# KiCad board poly_kb.kicad_pcb (continued)
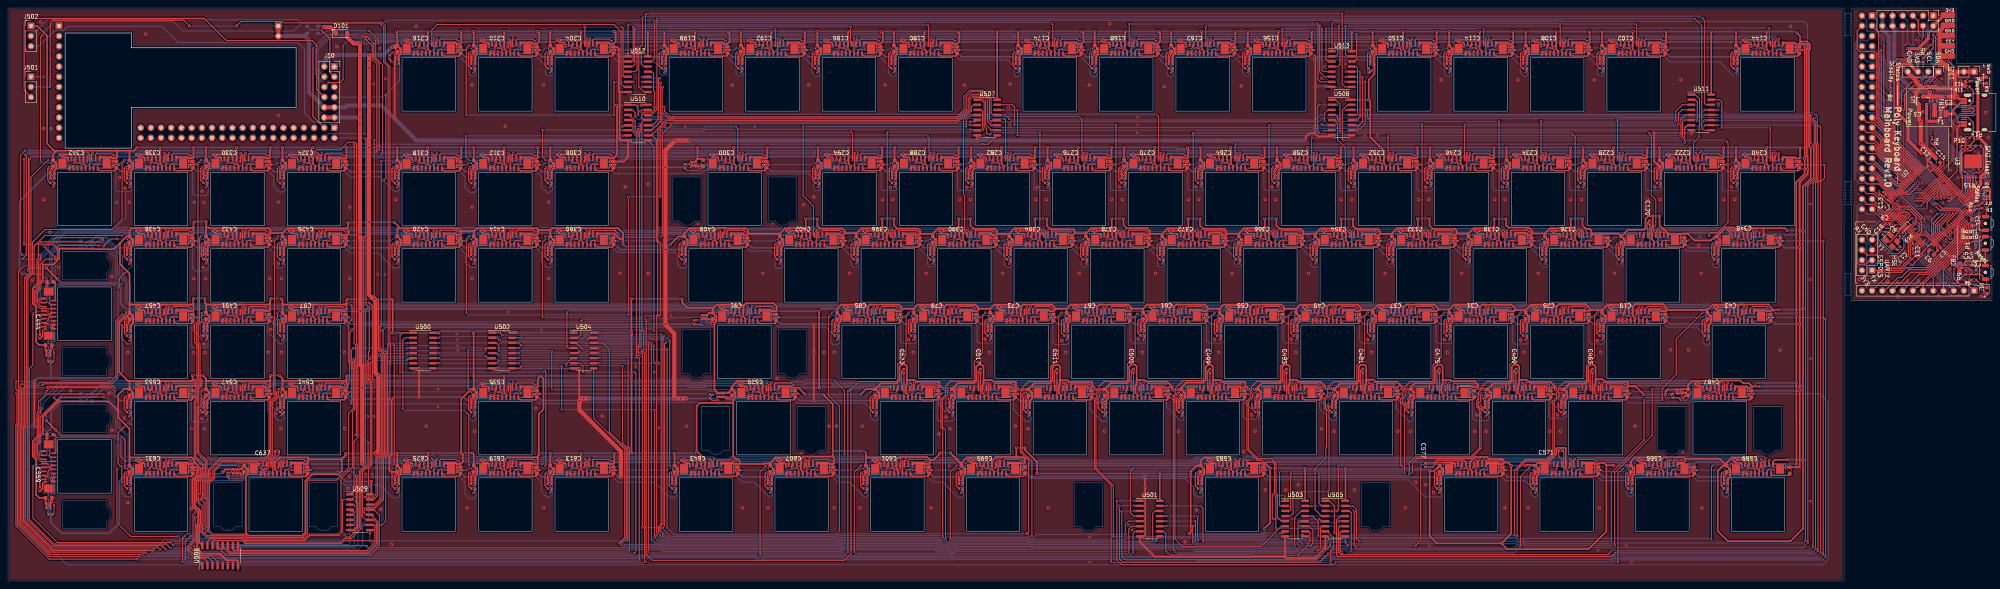
[diagram p0: board, top side]
## Nets (continued)
Net-(C78-Pad1): C78.1 J23.4
Net-(C78-Pad2): C78.2 J23.5
Net-(C79-Pad1): C79.1 J23.6
Net-(C79-Pad2): C79.2 J23.7
Net-(C81-Pad1): C81.1 J23.15
Net-(C84-Pad1): C84.1 J24.4
Net-(C84-Pad2): C84.2 J24.5
Net-(C85-Pad1): C85.1 J24.6
Net-(C85-Pad2): C85.2 J24.7
Net-(C87-Pad1): C87.1 J24.15
Net-(C90-Pad1): C90.1 J25.4
Net-(C90-Pad2): C90.2 J25.5
Net-(C91-Pad1): C91.1 J25.6
Net-(C91-Pad2): C91.2 J25.7
Net-(C93-Pad1): C93.1 J25.15
Net-(C96-Pad1): C96.1 J26.4
Net-(C96-Pad2): C96.2 J26.5
Net-(C97-Pad1): C97.1 J26.6
Net-(C97-Pad2): C97.2 J26.7
Net-(C99-Pad1): C99.1 J26.15
Net-(C101-Pad1): C101.1 J102.4
Net-(C101-Pad2): C101.2 J102.5
Net-(C102-Pad1): C102.1 J102.6
Net-(C102-Pad2): C102.2 J102.7
Net-(C104-Pad1): C104.1 J102.15
Net-(C107-Pad1): C107.1 J103.4
Net-(C107-Pad2): C107.2 J103.5
Net-(C108-Pad1): C108.1 J103.6
Net-(C108-Pad2): C108.2 J103.7
Net-(C110-Pad1): C110.1 J103.15
Net-(C113-Pad1): C113.1 J104.4
Net-(C113-Pad2): C113.2 J104.5
Net-(C114-Pad1): C114.1 J104.6
Net-(C114-Pad2): C114.2 J104.7
Net-(C116-Pad1): C116.1 J104.15
Net-(C119-Pad1): C119.1 J105.4
Net-(C119-Pad2): C119.2 J105.5
Net-(C120-Pad1): C120.1 J105.6
Net-(C120-Pad2): C120.2 J105.7
Net-(C122-Pad1): C122.1 J105.15
Net-(C125-Pad1): C125.1 J106.4
Net-(C125-Pad2): C125.2 J106.5
Net-(C126-Pad1): C126.1 J106.6
Net-(C126-Pad2): C126.2 J106.7
Net-(C128-Pad1): C128.1 J106.15
Net-(C131-Pad1): C131.1 J107.4
Net-(C131-Pad2): C131.2 J107.5
Net-(C132-Pad1): C132.1 J107.6
Net-(C132-Pad2): C132.2 J107.7
Net-(C134-Pad1): C134.1 J107.15
Net-(C137-Pad1): C137.1 J108.4
Net-(C137-Pad2): C137.2 J108.5
Net-(C138-Pad1): C138.1 J108.6
Net-(C138-Pad2): C138.2 J108.7
Net-(C140-Pad1): C140.1 J108.15
Net-(C143-Pad1): C143.1 J117.4
Net-(C143-Pad2): C143.2 J117.5
Net-(C144-Pad1): C144.1 J117.6
Net-(C144-Pad2): C144.2 J117.7
Net-(C146-Pad1): C146.1 J117.15
Net-(C149-Pad1): C149.1 J118.4
Net-(C149-Pad2): C149.2 J118.5
Net-(C150-Pad1): C150.1 J118.6
Net-(C150-Pad2): C150.2 J118.7
Net-(C152-Pad1): C152.1 J118.15
Net-(C155-Pad1): C155.1 J119.4
Net-(C155-Pad2): C155.2 J119.5
Net-(C156-Pad1): C156.1 J119.6
Net-(C156-Pad2): C156.2 J119.7
Net-(C158-Pad1): C158.1 J119.15
Net-(C161-Pad1): C161.1 J120.4
Net-(C161-Pad2): C161.2 J120.5
Net-(C162-Pad1): C162.1 J120.6
Net-(C162-Pad2): C162.2 J120.7
Net-(C164-Pad1): C164.1 J120.15
Net-(C167-Pad1): C167.1 J121.4
Net-(C167-Pad2): C167.2 J121.5
Net-(C168-Pad1): C168.1 J121.6
Net-(C168-Pad2): C168.2 J121.7
Net-(C170-Pad1): C170.1 J121.15
Net-(C173-Pad1): C173.1 J122.4
Net-(C173-Pad2): C173.2 J122.5
Net-(C174-Pad1): C174.1 J122.6
Net-(C174-Pad2): C174.2 J122.7
Net-(C176-Pad1): C176.1 J122.15
Net-(C179-Pad1): C179.1 J123.4
Net-(C179-Pad2): C179.2 J123.5
Net-(C180-Pad1): C180.1 J123.6
Net-(C180-Pad2): C180.2 J123.7
Net-(C182-Pad1): C182.1 J123.15
Net-(C185-Pad1): C185.1 J124.4
Net-(C185-Pad2): C185.2 J124.5
Net-(C186-Pad1): C186.1 J124.6
Net-(C186-Pad2): C186.2 J124.7
Net-(C188-Pad1): C188.1 J124.15
Net-(C191-Pad1): C191.1 J125.4
Net-(C191-Pad2): C191.2 J125.5
Net-(C192-Pad1): C192.1 J125.6
Net-(C192-Pad2): C192.2 J125.7
Net-(C194-Pad1): C194.1 J125.15
Net-(C197-Pad1): C197.1 J126.4
Net-(C197-Pad2): C197.2 J126.5
Net-(C198-Pad1): C198.1 J126.6
Net-(C198-Pad2): C198.2 J126.7
Net-(C200-Pad1): C200.1 J126.15
Net-(C203-Pad1): C203.1 J127.4
Net-(C203-Pad2): C203.2 J127.5
Net-(C204-Pad1): C204.1 J127.6
Net-(C204-Pad2): C204.2 J127.7
Net-(C206-Pad1): C206.1 J127.15
Net-(C209-Pad1): C209.1 J128.4
Net-(C209-Pad2): C209.2 J128.5
Net-(C210-Pad1): C210.1 J128.6
Net-(C210-Pad2): C210.2 J128.7
Net-(C212-Pad1): C212.1 J128.15
Net-(C215-Pad1): C215.1 J129.4
Net-(C215-Pad2): C215.2 J129.5
Net-(C216-Pad1): C216.1 J129.6
Net-(C216-Pad2): C216.2 J129.7
Net-(C218-Pad1): C218.1 J129.15
Net-(C221-Pad1): C221.1 J130.4
Net-(C221-Pad2): C221.2 J130.5
Net-(C222-Pad1): C222.1 J130.6
Net-(C222-Pad2): C222.2 J130.7
Net-(C224-Pad1): C224.1 J130.15
Net-(C227-Pad1): C227.1 J131.4
Net-(C227-Pad2): C227.2 J131.5
Net-(C228-Pad1): C228.1 J131.6
Net-(C228-Pad2): C228.2 J131.7
Net-(C230-Pad1): C230.1 J131.15
Net-(C233-Pad1): C233.1 J132.4
Net-(C233-Pad2): C233.2 J132.5
Net-(C234-Pad1): C234.1 J132.6
Net-(C234-Pad2): C234.2 J132.7
Net-(C236-Pad1): C236.1 J132.15
Net-(C239-Pad1): C239.1 J133.4
Net-(C239-Pad2): C239.2 J133.5
Net-(C240-Pad1): C240.1 J133.6
Net-(C240-Pad2): C240.2 J133.7
Net-(C242-Pad1): C242.1 J133.15
Net-(C245-Pad1): C245.1 J134.4
Net-(C245-Pad2): C245.2 J134.5
Net-(C246-Pad1): C246.1 J134.6
Net-(C246-Pad2): C246.2 J134.7
Net-(C248-Pad1): C248.1 J134.15
Net-(C251-Pad1): C251.1 J135.4
Net-(C251-Pad2): C251.2 J135.5
Net-(C252-Pad1): C252.1 J135.6
Net-(C252-Pad2): C252.2 J135.7
Net-(C254-Pad1): C254.1 J135.15
Net-(C257-Pad1): C257.1 J136.4
Net-(C257-Pad2): C257.2 J136.5
Net-(C258-Pad1): C258.1 J136.6
Net-(C258-Pad2): C258.2 J136.7
Net-(C260-Pad1): C260.1 J136.15
Net-(C263-Pad1): C263.1 J137.4
Net-(C263-Pad2): C263.2 J137.5
Net-(C264-Pad1): C264.1 J137.6
Net-(C264-Pad2): C264.2 J137.7
Net-(C266-Pad1): C266.1 J137.15
Net-(C269-Pad1): C269.1 J138.4
Net-(C269-Pad2): C269.2 J138.5
Net-(C270-Pad1): C270.1 J138.6
Net-(C270-Pad2): C270.2 J138.7
Net-(C272-Pad1): C272.1 J138.15
Net-(C275-Pad1): C275.1 J139.4
Net-(C275-Pad2): C275.2 J139.5
Net-(C276-Pad1): C276.1 J139.6
Net-(C276-Pad2): C276.2 J139.7
Net-(C278-Pad1): C278.1 J139.15
Net-(C281-Pad1): C281.1 J140.4
Net-(C281-Pad2): C281.2 J140.5
Net-(C282-Pad1): C282.1 J140.6
Net-(C282-Pad2): C282.2 J140.7
Net-(C284-Pad1): C284.1 J140.15
Net-(C287-Pad1): C287.1 J141.4
Net-(C287-Pad2): C287.2 J141.5
Net-(C288-Pad1): C288.1 J141.6
Net-(C288-Pad2): C288.2 J141.7
Net-(C290-Pad1): C290.1 J141.15
Net-(C293-Pad1): C293.1 J142.4
Net-(C293-Pad2): C293.2 J142.5
Net-(C294-Pad1): C294.1 J142.6
Net-(C294-Pad2): C294.2 J142.7
Net-(C296-Pad1): C296.1 J142.15
Net-(C299-Pad1): C299.1 J143.4
Net-(C299-Pad2): C299.2 J143.5
Net-(C300-Pad1): C300.1 J143.6
Net-(C300-Pad2): C300.2 J143.7
Net-(C302-Pad1): C302.1 J143.15
Net-(C305-Pad1): C305.1 J144.4
Net-(C305-Pad2): C305.2 J144.5
Net-(C306-Pad1): C306.1 J144.6
Net-(C306-Pad2): C306.2 J144.7
Net-(C308-Pad1): C308.1 J144.15
Net-(C311-Pad1): C311.1 J145.4
Net-(C311-Pad2): C311.2 J145.5
Net-(C312-Pad1): C312.1 J145.6
Net-(C312-Pad2): C312.2 J145.7
Net-(C314-Pad1): C314.1 J145.15
Net-(C317-Pad1): C317.1 J146.4
Net-(C317-Pad2): C317.2 J146.5
Net-(C318-Pad1): C318.1 J146.6
Net-(C318-Pad2): C318.2 J146.7
Net-(C320-Pad1): C320.1 J146.15
Net-(C323-Pad1): C323.1 J147.4
Net-(C323-Pad2): C323.2 J147.5
Net-(C324-Pad1): C324.1 J147.6
Net-(C324-Pad2): C324.2 J147.7
Net-(C326-Pad1): C326.1 J147.15
Net-(C329-Pad1): C329.1 J148.4
Net-(C329-Pad2): C329.2 J148.5
Net-(C330-Pad1): C330.1 J148.6
Net-(C330-Pad2): C330.2 J148.7
Net-(C332-Pad1): C332.1 J148.15
Net-(C335-Pad1): C335.1 J149.4
Net-(C335-Pad2): C335.2 J149.5
Net-(C336-Pad1): C336.1 J149.6
Net-(C336-Pad2): C336.2 J149.7
Net-(C338-Pad1): C338.1 J149.15
Net-(C341-Pad1): C341.1 J150.4
Net-(C341-Pad2): C341.2 J150.5
Net-(C342-Pad1): C342.1 J150.6
Net-(C342-Pad2): C342.2 J150.7
Net-(C344-Pad1): C344.1 J150.15
Net-(C347-Pad1): C347.1 J101.4
Net-(C347-Pad2): C347.2 J101.5
Net-(C348-Pad1): C348.1 J101.6
Net-(C348-Pad2): C348.2 J101.7
Net-(C350-Pad1): C350.1 J101.15
Net-(C353-Pad1): C353.1 J109.4
Net-(C353-Pad2): C353.2 J109.5
Net-(C354-Pad1): C354.1 J109.6
Net-(C354-Pad2): C354.2 J109.7
Net-(C356-Pad1): C356.1 J109.15
Net-(C359-Pad1): C359.1 J110.4
Net-(C359-Pad2): C359.2 J110.5
Net-(C360-Pad1): C360.1 J110.6
Net-(C360-Pad2): C360.2 J110.7
Net-(C362-Pad1): C362.1 J110.15
Net-(C365-Pad1): C365.1 J111.4
Net-(C365-Pad2): C365.2 J111.5
Net-(C366-Pad1): C366.1 J111.6
Net-(C366-Pad2): C366.2 J111.7
Net-(C368-Pad1): C368.1 J111.15
Net-(C371-Pad1): C371.1 J112.4
Net-(C371-Pad2): C371.2 J112.5
Net-(C372-Pad1): C372.1 J112.6
Net-(C372-Pad2): C372.2 J112.7
Net-(C374-Pad1): C374.1 J112.15
Net-(C377-Pad1): C377.1 J113.4
Net-(C377-Pad2): C377.2 J113.5
Net-(C378-Pad1): C378.1 J113.6
Net-(C378-Pad2): C378.2 J113.7
Net-(C380-Pad1): C380.1 J113.15
Net-(C383-Pad1): C383.1 J114.4
Net-(C383-Pad2): C383.2 J114.5
Net-(C384-Pad1): C384.1 J114.6
Net-(C384-Pad2): C384.2 J114.7
Net-(C386-Pad1): C386.1 J114.15
Net-(C389-Pad1): C389.1 J115.4
Net-(C389-Pad2): C389.2 J115.5
Net-(C390-Pad1): C390.1 J115.6
Net-(C390-Pad2): C390.2 J115.7
Net-(C392-Pad1): C392.1 J115.15
Net-(C395-Pad1): C395.1 J116.4
Net-(C395-Pad2): C395.2 J116.5
Net-(C396-Pad1): C396.1 J116.6
Net-(C396-Pad2): C396.2 J116.7
Net-(C398-Pad1): C398.1 J116.15
Net-(C401-Pad1): C401.1 J151.4
Net-(C401-Pad2): C401.2 J151.5
Net-(C402-Pad1): C402.1 J151.6
Net-(C402-Pad2): C402.2 J151.7
Net-(C404-Pad1): C404.1 J151.15
Net-(C407-Pad1): C407.1 J152.4
Net-(C407-Pad2): C407.2 J152.5
Net-(C408-Pad1): C408.1 J152.6
Net-(C408-Pad2): C408.2 J152.7
Net-(C410-Pad1): C410.1 J152.15
Net-(C413-Pad1): C413.1 J153.4
Net-(C413-Pad2): C413.2 J153.5
Net-(C414-Pad1): C414.1 J153.6
Net-(C414-Pad2): C414.2 J153.7
Net-(C416-Pad1): C416.1 J153.15
Net-(C419-Pad1): C419.1 J154.4
Net-(C419-Pad2): C419.2 J154.5
Net-(C420-Pad1): C420.1 J154.6
Net-(C420-Pad2): C420.2 J154.7
Net-(C422-Pad1): C422.1 J154.15
Net-(C425-Pad1): C425.1 J155.4
Net-(C425-Pad2): C425.2 J155.5
Net-(C426-Pad1): C426.1 J155.6
Net-(C426-Pad2): C426.2 J155.7
Net-(C428-Pad1): C428.1 J155.15
Net-(C431-Pad1): C431.1 J156.4
Net-(C431-Pad2): C431.2 J156.5
Net-(C432-Pad1): C432.1 J156.6
Net-(C432-Pad2): C432.2 J156.7
Net-(C434-Pad1): C434.1 J156.15
Net-(C437-Pad1): C437.1 J157.4
Net-(C437-Pad2): C437.2 J157.5
Net-(C438-Pad1): C438.1 J157.6
Net-(C438-Pad2): C438.2 J157.7
Net-(C440-Pad1): C440.1 J157.15
Net-(C443-Pad1): C443.1 J158.4
Net-(C443-Pad2): C443.2 J158.5
Net-(C444-Pad1): C444.1 J158.6
Net-(C444-Pad2): C444.2 J158.7
Net-(C446-Pad1): C446.1 J158.15
Net-(C450-Pad1): C450.1 J27.4
Net-(C450-Pad2): C450.2 J27.5
Net-(C451-Pad1): C451.1 J27.6
Net-(C451-Pad2): C451.2 J27.7
Net-(C453-Pad1): C453.1 J27.15
Net-(C456-Pad1): C456.1 J28.4
Net-(C456-Pad2): C456.2 J28.5
Net-(C457-Pad1): C457.1 J28.6
Net-(C457-Pad2): C457.2 J28.7
Net-(C459-Pad1): C459.1 J28.15
Net-(C462-Pad1): C462.1 J29.4
Net-(C462-Pad2): C462.2 J29.5
Net-(C463-Pad1): C463.1 J29.6
Net-(C463-Pad2): C463.2 J29.7
Net-(C465-Pad1): C465.1 J29.15
Net-(C468-Pad1): C468.1 J30.4
Net-(C468-Pad2): C468.2 J30.5
Net-(C469-Pad1): C469.1 J30.6
Net-(C469-Pad2): C469.2 J30.7
Net-(C471-Pad1): C471.1 J30.15
Net-(C474-Pad1): C474.1 J31.4
Net-(C474-Pad2): C474.2 J31.5
Net-(C475-Pad1): C475.1 J31.6
Net-(C475-Pad2): C475.2 J31.7
Net-(C477-Pad1): C477.1 J31.15
Net-(C480-Pad1): C480.1 J32.4
Net-(C480-Pad2): C480.2 J32.5
Net-(C481-Pad1): C481.1 J32.6
Net-(C481-Pad2): C481.2 J32.7
Net-(C483-Pad1): C483.1 J32.15
Net-(C486-Pad1): C486.1 J33.4
Net-(C486-Pad2): C486.2 J33.5
Net-(C487-Pad1): C487.1 J33.6
Net-(C487-Pad2): C487.2 J33.7
Net-(C489-Pad1): C489.1 J33.15
Net-(C492-Pad1): C492.1 J34.4
Net-(C492-Pad2): C492.2 J34.5
Net-(C493-Pad1): C493.1 J34.6
Net-(C493-Pad2): C493.2 J34.7
Net-(C495-Pad1): C495.1 J34.15
Net-(C498-Pad1): C498.1 J35.4
Net-(C498-Pad2): C498.2 J35.5
Net-(C499-Pad1): C499.1 J35.6
Net-(C499-Pad2): C499.2 J35.7
Net-(C501-Pad1): C501.1 J35.15
Net-(C504-Pad1): C504.1 J36.4
Net-(C504-Pad2): C504.2 J36.5
Net-(C505-Pad1): C505.1 J36.6
Net-(C505-Pad2): C505.2 J36.7
Net-(C507-Pad1): C507.1 J36.15
Net-(C510-Pad1): C510.1 J37.4
Net-(C510-Pad2): C510.2 J37.5
Net-(C511-Pad1): C511.1 J37.6
Net-(C511-Pad2): C511.2 J37.7
Net-(C513-Pad1): C513.1 J37.15
Net-(C516-Pad1): C516.1 J38.4
Net-(C516-Pad2): C516.2 J38.5
Net-(C517-Pad1): C517.1 J38.6
Net-(C517-Pad2): C517.2 J38.7
Net-(C519-Pad1): C519.1 J38.15
Net-(C522-Pad1): C522.1 J39.4
Net-(C522-Pad2): C522.2 J39.5
Net-(C523-Pad1): C523.1 J39.6
Net-(C523-Pad2): C523.2 J39.7
Net-(C525-Pad1): C525.1 J39.15
Net-(C528-Pad1): C528.1 J40.4
Net-(C528-Pad2): C528.2 J40.5
Net-(C529-Pad1): C529.1 J40.6
Net-(C529-Pad2): C529.2 J40.7
Net-(C531-Pad1): C531.1 J40.15
Net-(C534-Pad1): C534.1 J41.4
Net-(C534-Pad2): C534.2 J41.5
Net-(C535-Pad1): C535.1 J41.6
Net-(C535-Pad2): C535.2 J41.7
Net-(C537-Pad1): C537.1 J41.15
Net-(C540-Pad1): C540.1 J42.4
Net-(C540-Pad2): C540.2 J42.5
Net-(C541-Pad1): C541.1 J42.6
Net-(C541-Pad2): C541.2 J42.7
Net-(C543-Pad1): C543.1 J42.15
Net-(C546-Pad1): C546.1 J43.4
Net-(C546-Pad2): C546.2 J43.5
Net-(C547-Pad1): C547.1 J43.6
Net-(C547-Pad2): C547.2 J43.7
Net-(C549-Pad1): C549.1 J43.15
Net-(C552-Pad1): C552.1 J44.4
Net-(C552-Pad2): C552.2 J44.5
Net-(C553-Pad1): C553.1 J44.6
Net-(C553-Pad2): C553.2 J44.7
Net-(C555-Pad1): C555.1 J44.15
Net-(C558-Pad1): C558.1 J45.4
Net-(C558-Pad2): C558.2 J45.5
Net-(C559-Pad1): C559.1 J45.6
Net-(C559-Pad2): C559.2 J45.7
Net-(C561-Pad1): C561.1 J45.15
Net-(C564-Pad1): C564.1 J46.4
Net-(C564-Pad2): C564.2 J46.5
Net-(C565-Pad1): C565.1 J46.6
Net-(C565-Pad2): C565.2 J46.7
Net-(C567-Pad1): C567.1 J46.15
Net-(C570-Pad1): C570.1 J47.4
Net-(C570-Pad2): C570.2 J47.5
Net-(C571-Pad1): C571.1 J47.6
Net-(C571-Pad2): C571.2 J47.7
Net-(C573-Pad1): C573.1 J47.15
Net-(C576-Pad1): C576.1 J48.4
Net-(C576-Pad2): C576.2 J48.5
Net-(C577-Pad1): C577.1 J48.6
Net-(C577-Pad2): C577.2 J48.7
Net-(C579-Pad1): C579.1 J48.15
Net-(C582-Pad1): C582.1 J49.4
Net-(C582-Pad2): C582.2 J49.5
Net-(C583-Pad1): C583.1 J49.6
Net-(C583-Pad2): C583.2 J49.7
Net-(C585-Pad1): C585.1 J49.15
Net-(C588-Pad1): C588.1 J50.4
Net-(C588-Pad2): C588.2 J50.5
Net-(C589-Pad1): C589.1 J50.6
Net-(C589-Pad2): C589.2 J50.7
Net-(C591-Pad1): C591.1 J50.15
Net-(C594-Pad1): C594.1 J51.4
Net-(C594-Pad2): C594.2 J51.5
Net-(C595-Pad1): C595.1 J51.6
Net-(C595-Pad2): C595.2 J51.7
Net-(C597-Pad1): C597.1 J51.15
Net-(C600-Pad1): C600.1 J52.4
Net-(C600-Pad2): C600.2 J52.5
Net-(C601-Pad1): C601.1 J52.6
Net-(C601-Pad2): C601.2 J52.7
Net-(C603-Pad1): C603.1 J52.15
Net-(C606-Pad1): C606.1 J53.4
Net-(C606-Pad2): C606.2 J53.5
Net-(C607-Pad1): C607.1 J53.6
Net-(C607-Pad2): C607.2 J53.7
Net-(C609-Pad1): C609.1 J53.15
Net-(C612-Pad1): C612.1 J54.4
Net-(C612-Pad2): C612.2 J54.5
Net-(C613-Pad1): C613.1 J54.6
Net-(C613-Pad2): C613.2 J54.7
Net-(C615-Pad1): C615.1 J54.15
Net-(C618-Pad1): C618.1 J55.4
Net-(C618-Pad2): C618.2 J55.5
Net-(C619-Pad1): C619.1 J55.6
Net-(C619-Pad2): C619.2 J55.7
Net-(C621-Pad1): C621.1 J55.15
Net-(C624-Pad1): C624.1 J56.4
Net-(C624-Pad2): C624.2 J56.5
Net-(C625-Pad1): C625.1 J56.6
Net-(C625-Pad2): C625.2 J56.7
Net-(C627-Pad1): C627.1 J56.15
Net-(C630-Pad1): C630.1 J57.4
Net-(C630-Pad2): C630.2 J57.5
Net-(C631-Pad1): C631.1 J57.6
Net-(C631-Pad2): C631.2 J57.7
Net-(C633-Pad1): C633.1 J57.15
Net-(C636-Pad1): C636.1 J58.4
Net-(C636-Pad2): C636.2 J58.5
Net-(C637-Pad1): C637.1 J58.6
Net-(C637-Pad2): C637.2 J58.7
Net-(C639-Pad1): C639.1 J58.15
Net-(C642-Pad1): C642.1 J59.4
Net-(C642-Pad2): C642.2 J59.5
Net-(C643-Pad1): C643.1 J59.6
Net-(C643-Pad2): C643.2 J59.7
Net-(C645-Pad1): C645.1 J59.15
Net-(D1-Pad1): D1.1 R6.1
Net-(D2-Pad1): D2.1 R7.1
Net-(D3-Pad1): D3.1 R12.1
Net-(D101-Pad1): D101.1 LED_INDICATOR101.1
Net-(F1-Pad1): F1.1 FB1.2
Net-(J1-Pad2): J1.2 R4.2
Net-(J1-Pad4): J1.4 R5.2
Net-(J1-Pad6): J1.6 R8.2
Net-(J1-Pad10): J1.10 R9.2
Net-(J2-PadA5): J2.A5 R10.2
Net-(J2-PadB5): J2.B5 R11.2
Net-(J2-PadS1): J2.S1
Net-(U500-Pad14): U500.14 U501.9
Net-(U501-Pad14): U501.14 U502.9
Net-(U502-Pad14): U502.14 U503.9
Net-(U503-Pad14): U503.14 U504.9
Net-(U504-Pad14): U504.14 U505.9
Net-(U505-Pad14): U505.14 U506.9
Net-(U506-Pad14): U506.14 U507.9
Net-(U507-Pad14): U507.14 U508.9
Net-(U508-Pad14): U508.14 U509.9
Net-(U509-Pad14): U509.14 U510.9
Net-(U510-Pad14): U510.14 U511.9
Net-(U511-Pad14): U511.14 U512.9
Net-(U512-Pad14): U512.14 U513.9

Pads without a net: J1 8; J2 A8 B8; J11 4 5 6 7 8 9 10 11 12; J12 5 6 7 8 9 10 11 12 13 14 15 16 17 18 19 20 21 22 23 24 25 26 27 28 29 30 31 32 33 34 35 36 37 38 39 40; J13 0 2; J14 0 2; J15 0 2; J16 0 2; J17 0 2; J18 0 2; J19 0 2; J20 0 2; J21 0 2; J22 0 2; J23 0 2; J24 0 2; J25 0 2; J26 0 2; J27 0 2; J28 0 2; J29 0 2; J30 0 2; J31 0 2; J32 0 2; J33 0 2; J34 0 2; J35 0 2; J36 0 2; J37 0 2; J38 0 2; J39 0 2; J40 0 2; J41 0 2; J42 0 2; J43 0 2; J44 0 2; J45 0 2; J46 0 2; J47 0 2; J48 0 2; J49 0 2; J50 0 2; J51 0 2; J52 0 2; J53 0 2; J54 0 2; J55 0 2; J56 0 2; J57 0 2; J58 0 2; J59 0 2; J101 0 2; J102 0 2; J103 0 2; J104 0 2; J105 0 2; J106 0 2; J107 0 2; J108 0 2; J109 0 2; J110 0 2; J111 0 2; J112 0 2; J113 0 2; J114 0 2; J115 0 2; J116 0 2; J117 0 2; J118 0 2; J119 0 2; J120 0 2; J121 0 2; J122 0 2; J123 0 2; J124 0 2; J125 0 2; J126 0 2; J127 0 2; J128 0 2; J129 0 2; J130 0 2; J131 0 2; J132 0 2; J133 0 2; J134 0 2; J135 0 2; J136 0 2; J137 0 2; J138 0 2; J139 0 2; J140 0 2; J141 0 2; J142 0 2; J143 0 2; J144 0 2; J145 0 2; J146 0 2; J147 0 2; J148 0 2; J149 0 2; J150 0 2; J151 0 2; J152 0 2; J153 0 2; J154 0 2; J155 0 2; J156 0 2; J157 0 2; J158 0 2; LED_38 2; U2 21; U500 7 9; U506 5 6 7; U509 5 6 7

## Via types
v1: diameter 0.8, hole 0.4, Top to Bottom, 876 vias
v2: diameter 0.61, hole 0.356, Top to Bottom, 2003 vias

## Routing (per net, layer and track width the routed paths; a pad name or vN(x,y) marks a point on that pad's centre or on a via; arc(x,y) is an arc through that point)
+3.3VA: length 38.2
  Top w0.292: C4.1 C5.1 486.5,78.74 FB2.1 485.95,79.24 484.56,77.85 484.56,75.46 485.98,74.04 487.93,74.04 J4.1 ; U2.22 475.05,84.13 475.05,82.19 474.49,81.62 v2(474.36,81.62)
  Bottom w0.292: v2(474.36,81.62) 474.48,81.62 483.16,72.95 483.16,71.96 483.93,71.19 488.39,71.19 J4.1
+3V3: length 5696.6
  Top w0.254: v1(159.38,137.02) 159.35,137.02 159.32,136.99
  Top w0.292: v1(479.09,103.89) 479.09,104.14 C12.1 478.8,103.74 U2.75 ; v2(480.94,83.46) 481.21,83.19 C7.1 481.21,83.4 U2.28 477.5,87.11 v2(477.5,87.47) ; U2.50 488.47,91.71 488.47,91.69 ; 488.47,91.69 v2(488.95,91.69) 489.69,92.43 C10.1 490.02,92.74 490.88,92.74 491.11,92.96 R3.1 ; 488.47,91.69 488.45,91.71 ; v2(486,78.08) 486.01,78.09 488.21,78.09 R2.1 ; U2.100 468.17,94.75 466.98,95.94 C13.1 466.67,96.01 465.94,96.75 v2(465.94,97.08) ; U2.100 468.37,94.75 ; U2.100 469.33,93.88 469.33,93.13 470.85,91.6 470.85,91.25 U2.6 468.76,89.15 C9.1 468.47,88.84 469.57,87.75 470.23,87.75 C8.1 471.11,87.97 U2.11 472.74,89.59 473.12,89.59 473.99,90.47 v2(474.06,90.47) ; v2(478.03,81.64) 478.03,82.15 478.35,82.48 ; R1.1 490.09,83.31 v2(489.85,83.06) ; 491.24,100.82 491.24,98.53 490.61,97.9 490.61,96.19 ; v2(475.79,89.26) 475.88,89.17 475.88,87.34 475.45,86.91 475.45,86.66 474.82,86.02 U2.19 474.82,86.01 474.18,85.38 474.18,85.37 474.04,85.23 474.04,84.83 474.34,84.52 C11.1 ; 477.75,116.97 C3.1 ; 492.62,102.19 492.62,108.48
  Top w0.4: C147.2 430.7,129.03 430.7,131.06 431.12,131.49 431.12,132.73 C145.1 430.3,136.98 v1(430.28,137.01) ; 446.24,134.23 446.24,135.88 445.44,136.68 v1(445.44,136.68) ; 446.24,134.23 445.97,133.96 445.14,133.96 444.83,134.26 442.24,134.26 J117.16 ; 446.24,134.23 446.54,134.53 447.97,134.53 448.71,133.79 448.71,132.65 448.46,132.4 448.46,108.54 v1(448.92,108.08) 448.92,100.38 446.96,98.43 v1(446.96,87.17) v1(446.96,67.89) 446.96,48.64 ; J117.9 438.4,132.11 437.9,132.61 J117.8 437.9,136.93 v1(437.82,137.01) ; J102.9 405.06,132.11 404.56,132.61 J102.8 404.56,136.97 v1(404.6,137.01) ; C105.2 397.36,129.03 397.36,131.06 397.78,131.49 397.78,132.73 C103.1 396.96,136.99 v1(396.95,137.01) ; J103.9 386.01,132.11 385.51,132.61 J103.8 385.51,136.97 v1(385.47,137.01) ; C111.2 378.31,129.03 378.31,131.06 378.73,131.49 378.73,132.73 C109.1 377.91,136.99 v1(377.93,137.01) ; J104.9 366.96,132.11 366.46,132.61 J104.8 366.46,136.94 v1(366.39,137.01) ; C117.2 359.26,129.03 359.26,131.06 359.68,131.49 359.68,132.73 C115.1 358.86,136.99 v1(358.88,137.01) ; C121.1 402.54,85.11 402.54,83.86 402.12,83.44 402.12,81.41 C123.2 ; C121.1 403.38,87.58 407.34,87.58 407.74,87.98 407.74,90.29 408.43,90.98 v1(409.57,90.98) 409.57,88.66 409.24,88.32 409.24,86.38 J105.8 409.32,85.2 409.82,84.7 J105.9 ; C121.1 401.01,86.64 394.62,86.64 J106.16 394.27,87.4 393.87,87.81 392.91,87.81 392.05,88.67 v1(392.05,90.32) ; J106.9 390.77,84.49 390.27,84.99 J106.8 390.27,86.8 389.15,87.92 389.15,87.96 ; C129.2 383.07,81.41 383.07,83.44 383.49,83.86 383.49,85.11 C127.1 382.68,86.6 ; J118.9 347.91,132.11 347.41,132.61 J118.8 347.41,136.97 v1(347.45,137.01) ; J119.9 316.8,132.11 316.3,132.61 J119.8 316.3,137.01 v1(316.28,137.02) ; C159.2 309.09,129.03 309.09,131.06 309.51,131.49 309.51,132.73 C157.1 308.7,137.01 v1(308.69,137.02) ; J120.9 297.75,132.11 297.25,132.61 J120.8 297.25,137.01 v1(297.23,137.02) ; C165.2 290.04,129.03 290.04,131.06 290.46,131.49 290.46,132.73 C163.1 289.65,137.01 v1(289.66,137.02) ; J121.9 278.7,132.11 278.2,132.61 J121.8 278.2,136.99 v1(278.23,137.02) ; C171.2 270.99,129.03 270.99,131.06 271.41,131.49 271.41,132.73 C169.1 270.6,137.01 v1(270.58,137.02) ; J122.9 259.65,132.11 259.15,132.61 J122.8 259.15,137.01 v1(259.13,137.02) ; C177.2 251.94,129.03 251.94,131.06 252.36,131.49 252.36,132.73 C175.1 251.55,137.01 v1(251.56,137.02) ; J123.9 228.69,132.11 228.19,132.61 J123.8 228.19,137 v1(228.22,137.02) ; C183.2 220.99,129.03 220.99,131.06 221.41,131.49 221.41,132.73 C181.1 220.59,137 v1(220.57,137.02) ; J124.9 209.64,132.11 209.14,132.61 J124.8 209.14,137.02 v1(209.14,137.02) ; C189.2 201.94,129.03 201.94,131.06 202.36,131.49 202.36,132.73 C187.1 201.54,137 v1(201.52,137.02) ; J125.9 190.59,132.11 190.09,132.61 J125.8 190.09,136.97 v1(190.14,137.02) ; C195.2 182.89,129.03 182.89,131.06 183.31,131.49 183.31,132.73 C193.1 182.49,136.98 v1(182.45,137.02) ; J126.9 171.54,132.11 171.04,132.61 J126.8 171.04,137 v1(171.07,137.02) ; C201.2 163.84,129.03 163.84,131.06 164.26,131.49 164.26,132.73 C199.1 163.44,136.99 v1(163.47,137.02) ; J127.9 143.12,132.11 142.62,132.61 J127.8 142.62,136.99 v1(142.59,137.02) ; C207.2 135.42,129.03 135.42,131.06 135.84,131.49 135.84,132.73 C205.1 135.03,137 v1(135,137.02) ; J129.9 105.03,132.11 104.53,132.61 J129.8 104.53,135.46 ; C219.2 97.32,129.03 97.32,131.06 97.74,131.49 97.74,132.73 C217.1 96.93,136.84 v1(96.75,137.02) ; J130.9 419.35,103.54 418.85,104.04 J130.8 418.85,108.06 v1(418.83,108.09) ; C225.2 411.64,100.46 411.64,102.49 412.07,102.91 412.07,104.16 C223.1 411.25,108 v1(411.17,108.09) ; J131.9 400.3,103.54 399.8,104.04 J131.8 399.8,108.07 v1(399.78,108.09) ; C231.2 392.59,100.46 392.59,102.49 393.02,102.91 393.02,104.16 C229.1 392.2,108.08 v1(392.21,108.09) ; J132.9 381.25,103.54 380.75,104.04 J132.8 380.75,108.02 v1(380.69,108.09) ; C237.2 373.55,100.46 373.55,102.49 373.97,102.91 373.97,104.16 C235.1 373.15,108 v1(373.06,108.09) ; J133.9 438.4,103.54 437.9,104.04 J133.8 437.9,108.06 v1(437.93,108.09) ; C243.2 430.69,100.46 430.69,102.49 431.12,102.91 431.12,104.16 C241.1 430.3,108.08 v1(430.31,108.09) ; J133.16 442.24,105.69 444.83,105.69 445.14,105.38 445.97,105.38 446.24,105.66 446.24,108.06 v1(446.25,108.08) ; J134.9 362.2,103.54 361.7,104.04 J134.8 361.7,107.97 361.76,108.03 v1(361.76,108.09) ; C249.2 354.5,100.46 354.5,102.49 354.92,102.91 354.92,104.16 C247.1 354.1,108.08 v1(354.09,108.09) ; J135.9 343.15,103.54 342.65,104.04 J135.8 342.65,107.3 v1(341.76,108.13) 339.22,110.67 339.22,119.61 v1(338.84,119.99) 338.84,124.97 340.26,126.39 340.26,128.84 C153.2 340.21,129.03 340.21,131.06 340.63,131.49 340.63,132.73 C151.1 339.81,136.99 v1(339.8,137.01) ; C255.2 335.44,100.46 335.44,102.49 335.87,102.91 335.87,104.16 C253.1 335.05,108.05 v1(335.09,108.09) ; J136.9 324.1,103.54 323.6,104.04 J136.8 323.6,108.07 v1(323.58,108.09) ; C261.2 316.39,100.46 316.39,102.49 316.82,102.91 316.82,104.16 C259.1 316,108.05 v1(315.96,108.09) ; J137.9 305.05,103.54 304.55,104.04 J137.8 304.55,107.93 v1(304.38,108.09) ; C267.2 297.34,100.46 297.34,102.49 297.77,102.91 297.77,104.16 C265.1 296.95,108.08 v1(296.94,108.09) ; J138.9 286,103.54 285.5,104.04 J138.8 285.5,108.08 v1(285.52,108.1) ; C273.2 278.3,100.46 278.3,102.49 278.72,102.91 278.72,104.16 C271.1 277.9,108.08 v1(277.88,108.1) ; J139.9 266.95,103.54 266.45,104.04 J139.8 266.45,108.1 v1(266.45,108.1) ; C279.2 259.25,100.46 259.25,102.49 259.67,102.91 259.67,104.16 C277.1 v1(258.85,108.1) ; J140.9 247.9,103.54 247.4,104.04 J140.8 247.4,108.08 v1(247.42,108.1) ; C285.2 240.19,100.46 240.19,102.49 240.62,102.91 240.62,104.16 C283.1 239.8,108.08 v1(239.83,108.1) ; J141.9 228.85,103.54 228.35,104.04 J141.8 228.35,108.07 v1(228.32,108.1) ; C291.2 221.14,100.46 221.14,102.49 221.57,102.91 221.57,104.16 C289.1 v1(220.75,108.1) ; J142.9 209.8,103.54 209.3,104.04 J142.8 209.3,108.08 v1(209.32,108.1) ; C297.2 202.09,100.46 202.09,102.49 202.52,102.91 202.52,104.16 C295.1 201.7,108.08 v1(201.73,108.1) ; J143.9 181.22,103.54 180.72,104.04 J143.8 180.72,108.07 v1(180.7,108.1) ; 171.17,104.61 C303.2 ; C303.2 171.24,104.82 171.69,105.27 ; C303.2 170.12,104.54 C304.2 ; J144.9 143.12,103.54 142.62,104.04 J144.8 142.62,108.05 v1(142.57,108.1) ; C309.2 135.42,100.46 135.42,102.49 135.84,102.91 135.84,104.16 C307.1 v1(135.03,108.1) ; J144.16 146.97,105.69 149.56,105.69 149.86,105.38 150.69,105.38 ; 150.96,105.66 150.69,105.38 ; 150.69,105.38 151.64,106.33 v1(151.64,108.1) 151.64,118.54 v1(151.56,118.62) ; J145.9 124.07,103.49 123.57,103.99 J145.8 123.57,108.05 v1(123.52,108.1) ; C315.2 116.37,100.41 116.37,102.44 116.79,102.86 116.79,104.11 C313.1 115.98,108.08 v1(115.95,108.1) ; J146.9 105.03,103.49 104.53,103.99 J146.8 104.53,108.07 v1(104.5,108.1) ; C321.2 97.32,100.41 97.32,102.44 97.74,102.86 97.74,104.11 C319.1 v1(96.93,108.1) ; J147.9 76.45,103.49 75.95,103.99 J147.8 75.55,105.7 75.55,107.69 v1(75.95,108.09) ; C327.2 68.75,100.41 68.75,102.44 69.17,102.86 69.17,104.11 C325.1 68.35,108.06 v1(68.33,108.09) ; J148.9 57.4,103.54 56.9,104.04 J148.8 56.9,108.08 v1(56.9,108.09) ; C333.2 49.69,100.46 49.69,102.49 50.12,102.91 50.12,104.16 C331.1 49.3,108.06 v1(49.28,108.09) ; J149.9 38.35,103.54 37.85,104.04 J149.8 37.85,108.08 v1(37.85,108.09) ; 30.25,107.23 C337.1 31.07,104.16 31.07,102.91 30.64,102.49 30.64,100.46 C339.2 ; J150.9 19.3,103.54 18.8,104.04 J150.8 18.8,107.3 ; C345.2 11.6,100.46 11.6,102.49 12.02,102.91 12.02,104.16 C343.1 11.2,106.38 12.12,107.3 ; J150.16 23.14,105.69 25.73,105.69 26.04,105.38 26.87,105.38 27.14,105.66 27.14,107.3 ; 27.14,107.3 31.35,107.3 v1(32.13,108.09) ; 27.14,107.3 18.8,107.3 ; J110.9 143.12,84.49 142.62,84.99 J110.8 142.62,87.98 142.62,87.99 ; C363.2 135.42,81.41 135.42,83.44 135.84,83.86 135.84,85.11 C361.1 135.03,87.53 ; J152.9 176.46,84.49 175.96,84.99 J152.8 175.96,87.4 ; C409.1 169.18,85.11 169.18,83.86 168.76,83.44 168.76,81.41 C411.2 ; C409.1 168.36,86.6 169.71,87.95 175.41,87.95 175.96,87.4 ; C409.1 166.93,85.92 v1(164.95,83.95) ; J152.16 180.3,86.64 182.9,86.64 183.2,86.33 184.03,86.33 184.3,86.61 ; 184.3,86.61 184.3,87.43 183.79,87.93 178.69,87.93 178.56,88.07 176.63,88.07 175.96,87.4 ; 184.3,86.61 192.17,86.61 192.18,86.6 ; J153.9 124.07,84.49 123.57,84.99 J153.8 123.57,87.88 123.47,87.99 ; C417.2 116.37,81.41 116.37,83.44 116.79,83.86 116.79,85.11 C415.1 115.98,87.16 116.04,87.22 ; J153.16 127.92,86.64 130.51,86.64 130.81,86.33 131.64,86.33 131.91,86.61 131.91,87.47 ; J154.9 105.03,84.49 104.53,84.99 J154.8 104.53,87.96 104.55,87.99 ; C423.2 97.32,81.41 97.32,83.44 97.74,83.86 97.74,85.11 C421.1 96.93,87.66 97.26,87.99 ; J155.9 76.45,84.49 75.95,84.99 J155.8 75.95,87.84 76.07,87.96 ; C429.2 68.75,81.41 68.75,83.44 69.17,83.86 69.17,85.11 C427.1 68.35,86.74 ; J156.9 57.4,84.49 56.9,84.99 J156.8 56.9,87.98 56.9,87.99 ; C435.2 49.69,81.41 49.69,83.44 50.12,83.86 50.12,85.11 C433.1 49.3,88.18 ; J157.9 38.35,84.49 37.85,84.99 J157.8 37.85,87.98 37.82,88.01 ; C439.1 31.07,85.11 31.07,83.86 30.64,83.44 30.64,81.41 C441.2 ; C439.1 30.25,87.4 30.86,88.01 45.95,88.01 46.19,88.25 ; C439.1 29.53,85.92 27.86,84.26 ; J157.16 42.19,86.64 44.78,86.64 45.09,86.33 45.92,86.33 46.19,86.61 46.19,88.25 ; 46.19,88.25 46.19,89.37 v1(46.38,89.56) ; C349.1 426.35,85.11 426.35,83.86 425.93,83.44 425.93,81.41 C351.2 ; C349.1 427.78,88.17 429.66,88.17 430.08,87.75 432.79,87.75 433.14,87.4 ; C349.1 425.07,85.92 424.03,84.89 420.01,84.89 418.27,86.63 417.1,86.63 ; J25.9 183.61,65.44 183.11,65.94 J25.8 183.11,68.59 ; C92.1 176.32,66.06 176.32,64.81 175.9,64.39 175.9,47.69 C533.2 179.28,46.84 180.27,47.82 C530.1 ; C92.1 175.51,68.16 ; C92.1 174.52,66.87 C94.2 172.79,66.26 C95.2 ; J25.16 187.45,67.59 190.04,67.59 190.34,67.28 191.17,67.28 191.45,67.56 191.45,68.48 190.65,69.28 183.76,69.28 183.11,68.62 183.11,68.59 ; J26.9 76.45,65.44 75.95,65.94 J26.8 75.95,68.91 75.97,68.94 ; 68.35,69.13 C98.1 69.17,66.06 69.17,64.81 68.75,64.39 68.75,62.36 C100.2 ; 68.35,69.13 68.54,68.94 84.02,68.94 84.29,69.2 ; 68.35,69.13 68.35,70.08 v1(68.1,70.33) ; J27.9 57.4,65.44 56.9,65.94 J27.8 56.9,68.89 56.95,68.94 ; 49.23,69.2 49.3,69.13 C452.1 50.12,66.06 50.12,64.79 49.63,64.3 C454.2 ; 49.23,69.2 49.49,68.94 64.97,68.94 65.24,69.2 ; 49.23,69.2 49.02,69.41 v1(49.02,70.45) ; J28.9 38.35,65.44 37.85,65.94 J28.8 37.85,68.86 37.77,68.94 ; C458.1 30.25,69.13 ; C458.1 30.25,66.58 29.32,65.65 28.98,65.65 27.69,64.36 27.69,52.07 29.9,49.86 30.25,49.86 ; C458.1 31.07,66.06 31.07,64.2 30.58,63.71 C460.2 ; 30.25,69.13 30.44,68.94 37.77,68.94 ; 30.25,69.13 30.25,76.61 27.86,78.99 27.86,84.26 ; J28.16 42.19,67.59 44.78,67.59 45.09,67.28 45.92,67.28 46.19,67.56 46.19,69.2 46.12,69.13 ; J29.9 395.54,46.39 395.04,46.89 J29.8 ; J29.16 399.38,48.54 401.97,48.54 402.28,48.23 403.1,48.23 403.38,48.51 ; J30.9 376.49,46.39 375.99,46.89 J30.8 ; J31.9 357.44,46.39 356.94,46.89 J31.8 ; C478.2 349.73,43.31 349.73,45.34 350.15,45.76 350.15,47.01 C476.1 348.45,47.82 v1(348.42,47.85) ; J32.9 338.39,46.39 337.89,46.89 J32.8 ; J33.9 426.49,46.39 425.99,46.89 J33.8 ; J33.8 425.99,48.83 424.98,49.85 419.29,49.85 418.39,48.95 418.39,48.51 418.4,48.5 C488.1 416.93,47.82 C490.2 415.67,47.73 C491.2 413.23,47.72 412.75,47.24 v1(412.75,46.48) ; J33.8 425.99,49.3 426.68,49.99 431.37,49.99 432.05,49.3 433.54,49.3 434.33,48.51 ; J33.16 430.33,48.54 432.93,48.54 433.23,48.23 434.06,48.23 434.33,48.51 ; 434.33,48.51 436.37,48.51 v1(436.37,48.51) ; J34.9 319.34,46.39 318.84,46.89 J34.8 ; J34.16 323.18,48.54 325.77,48.54 326.08,48.23 326.9,48.23 327.18,48.51 ; J35.9 300.29,46.39 299.79,46.89 J35.8 ; J36.9 281.24,46.39 280.74,46.89 J36.8 ; J37.9 262.19,46.39 261.69,46.89 J37.8 261.69,48.71 261.98,49 261.98,50.09 ; J37.16 266.03,48.54 268.62,48.54 268.93,48.23 269.75,48.23 270.03,48.51 ; 270.03,48.51 270.11,48.51 v1(270.85,47.76) ; 270.03,48.51 270.03,49.49 269.91,49.61 264.28,49.61 263.8,50.09 261.98,50.09 ; J38.9 243.14,46.39 242.64,46.89 J38.8 ; J39.9 224.09,46.39 223.59,46.89 J39.8 ; C526.2 216.38,43.31 216.38,45.34 216.8,45.76 216.8,47.01 C524.1 213.63,47.82 v1(212.32,46.51) ; J39.16 227.93,48.54 230.52,48.54 230.83,48.23 231.65,48.23 231.93,48.51 ; 231.93,48.51 232.27,48.51 v1(232.77,48.01) ; 231.93,48.51 231.84,48.42 ; J40.9 188.37,46.39 187.87,46.89 J40.8 187.87,49.3 187.32,49.85 181.61,49.85 180.27,48.5 C530.1 ; C530.1 181.09,47.01 181.09,45.76 180.91,45.59 ; J41.9 124.07,46.39 123.57,46.89 J41.8 123.57,51.13 v1(123.56,51.14) ; C536.1 116.79,47.01 116.79,45.76 116.37,45.34 116.37,43.31 C538.2 ; C536.1 115.29,47.82 113.75,46.28 ; C536.1 115.98,51.11 v1(115.94,51.14) v1(115.94,61.86) ; J42.9 76.45,46.39 75.95,46.89 J42.8 75.95,49.91 75.95,49.91 ; 68.35,50.08 C542.1 69.17,47.01 69.17,45.87 69.16,45.86 69.16,45.82 68.83,45.49 68.79,45.49 68.68,45.38 C544.2 ; 68.35,50.08 68.52,49.91 84.05,49.91 84.29,50.15 ; 68.35,50.08 68.35,50.48 v1(67.56,51.27) ; J43.9 57.4,46.39 56.9,46.89 J43.8 56.9,49.84 56.92,49.86 ; 49.3,50.08 C548.1 50.12,47.01 50.12,45.54 49.63,45.05 C550.2 ; 49.3,50.08 49.3,50.48 v1(48.56,51.22) ; 49.3,50.08 49.52,49.86 64.95,49.86 65.24,50.15 ; J43.16 61.24,48.54 63.83,48.54 64.14,48.23 64.97,48.23 65.24,48.51 65.24,50.15 ; 65.24,50.15 65.24,51.11 v1(65.4,51.27) ; J44.9 38.35,46.39 37.85,46.89 J44.8 37.85,49.81 37.8,49.86 ; C554.1 31.07,47.01 31.07,45.76 30.64,45.34 30.64,43.31 C556.2 ; C554.1 30.25,49.86 ; C554.1 28.84,47.82 27.42,46.4 27.42,42.43 ; J46.9 412.21,27.34 411.71,27.84 J46.8 411.71,30.25 ; C566.1 404.92,27.96 404.92,26.71 404.5,26.29 404.5,24.26 C568.2 ; C566.1 403.08,28.77 v1(403.04,28.81) ; C566.1 404.11,29.45 404.11,29.46 404.11,29.79 405.12,30.8 411.16,30.8 411.71,30.25 ; J46.16 416.05,29.49 417.27,29.49 417.65,29.87 417.65,30.48 ; J47.9 388.39,27.34 387.89,27.84 J47.8 387.89,33.09 387.78,33.2 385.8,33.2 385.52,32.93 385.52,31.63 383.37,29.48 381,29.48 C572.1 ; C572.1 381.11,27.96 381.11,26.71 380.69,26.29 380.69,24.26 C574.2 ; C572.1 380.14,28.93 377.98,28.93 v1(377.82,28.78) ; J47.16 392.23,29.49 394.83,29.49 395.13,29.18 395.96,29.18 396.23,29.46 397.41,29.46 398.02,28.85 ; J48.9 364.58,27.34 364.08,27.84 J48.8 364.08,29.66 365.35,30.94 366.67,30.94 366.7,30.91 368.38,30.91 368.88,30.4 371.42,30.4 371.46,30.44 372.07,30.44 372.41,30.1 372.41,29.51 373.56,29.51 v1(374.29,28.78) 374.29,11.81 371.86,9.37 ; C580.2 356.88,24.26 356.88,26.29 357.3,26.71 357.3,27.96 C578.1 355.19,27.48 v1(354,27.48) 354,11.2 355.83,9.37 371.86,9.37 ; J49.9 305.05,27.34 304.55,27.84 J49.8 304.55,30.25 304,30.8 297.8,30.8 296.95,29.95 C584.1 ; C584.1 297.77,27.96 297.77,26.71 297.34,26.29 297.34,24.26 C586.2 ; C584.1 295.91,28.77 294.5,27.36 v1(294.5,26.67) 294.5,12.23 v1(294.08,11.81) ; J51.9 245.52,27.34 245.02,27.84 J51.8 245.02,29.93 ; C598.2 237.81,24.26 237.81,26.29 238.24,26.71 238.24,27.96 C596.1 237.42,29.45 ; C604.2 214,24.26 214,26.29 214.42,26.71 214.42,27.96 C602.1 213.61,30.75 ; J53.9 197.89,27.34 197.39,27.84 J53.8 197.39,30.31 ; C610.2 190.19,24.26 190.19,26.29 190.61,26.71 190.61,27.96 C608.1 189.8,29.39 ; J54.9 143.12,27.34 142.62,27.84 J54.8 142.62,31.82 v1(142.61,31.84) ; C616.2 135.42,24.26 135.42,26.29 135.84,26.71 135.84,27.96 C614.1 135.03,31.79 v1(135.07,31.84) ; J55.9 124.07,27.34 123.57,27.84 J55.8 123.57,30.02 124.4,30.85 131.66,30.85 132.18,31.36 v1(132.18,31.84) 132.18,41.67 133.32,42.81 133.32,50.43 v1(132.61,51.14) 131.91,50.45 131.91,48.51 131.64,48.23 130.81,48.23 130.51,48.54 127.92,48.54 J41.16 ; C622.2 116.37,24.26 116.37,26.29 116.79,26.71 116.79,27.96 C620.1 115.98,31.54 v1(115.61,31.9) ; J56.9 105.03,27.34 104.53,27.84 J56.8 104.53,31.89 v1(104.51,31.9) ; C628.2 97.32,24.26 97.32,26.29 97.74,26.71 97.74,27.96 C626.1 96.93,31.89 v1(96.92,31.9) ; J58.9 66.93,27.34 66.43,27.84 J58.8 66.43,29.6 67.63,30.81 74.62,30.81 74.76,30.66 74.76,30.31 ; J57.9 38.35,27.34 37.85,27.84 J57.8 37.85,30.76 37.9,30.81 ; 30.25,31.03 C632.1 31.07,27.96 31.07,26.71 30.64,26.29 30.64,24.26 C634.2 ; 30.25,31.03 30.47,30.81 37.9,30.81 ; 30.25,31.03 30.25,37.95 27.42,40.78 27.42,42.43 ; J59.9 174.08,27.34 173.58,27.84 J59.8 173.58,30.25 171.58,32.25 v1(171.44,32.25) 171.44,43.62 172.23,44.41 180.41,44.41 180.59,44.23 ; C646.2 166.38,24.26 166.38,26.29 166.8,26.71 166.8,27.96 C644.1 165.98,31.74 v1(165.88,31.84) ; v1(8.04,70.15) 8.3,70.41 J158.16 ; C445.1 9.32,57.59 C447.2 9.54,56.25 C448.2 ; C445.1 9.32,58.84 ; C445.1 7.76,58.81 6.99,59.58 6.99,68.36 6.16,69.19 6.16,72.92 v1(6.76,73.53) ; J158.9 10.75,66.91 10.25,66.41 J158.8 6.99,66.41 6.99,66.11 ; C213.2 116.37,129.03 116.37,131.06 116.79,131.49 116.79,132.73 C211.1 115.98,136.95 v1(115.9,137.02) ; J128.9 124.08,132.12 123.58,132.62 J128.8 123.58,136.97 v1(123.52,137.02) ; 7,28.02 7,28.33 J45.8 10.26,28.33 10.76,28.83 J45.9 ; J107.9 352.68,84.49 352.18,84.99 J107.8 352.18,86.8 351.05,87.92 351.05,87.96 ; 314.55,83.9 314.55,84.49 314.05,84.99 314.05,86.8 312.93,87.92 312.93,87.96 ; 295.52,83.87 295.52,84.46 295.02,84.96 295.02,86.77 293.9,87.89 293.9,87.93 ; J113.9 276.48,84.49 275.98,84.99 J113.8 275.98,86.8 274.85,87.92 274.85,87.96 ; 257.4,83.87 257.4,84.46 256.9,84.96 256.9,86.77 255.78,87.89 255.78,87.93 ; 238.35,83.87 238.35,84.46 237.85,84.96 237.85,86.77 236.73,87.89 236.73,87.93 ; J151.9 200.27,84.49 199.77,84.99 J151.8 199.77,86.8 198.65,87.92 198.65,87.96 ; J116.9 219.32,84.49 218.82,84.99 J116.8 218.82,86.8 217.7,87.92 217.7,87.96 ; 333.62,83.85 333.62,84.44 333.12,84.94 333.12,86.75 332,87.87 332,87.91 ; 371.73,83.87 371.73,84.46 371.23,84.96 371.23,86.77 370.1,87.89 370.1,87.93 ; C135.2 344.97,81.41 344.97,83.44 345.39,83.86 345.39,85.11 C133.1 344.58,86.6 ; 306.78,81.34 306.84,81.41 306.84,83.44 307.27,83.86 307.27,85.11 306.45,85.92 306.45,86.6 ; 287.75,81.31 287.82,81.38 287.82,83.41 288.24,83.84 288.24,85.08 287.43,85.9 287.43,86.58 ; C381.2 268.77,81.41 268.77,83.44 269.19,83.86 269.19,85.11 C379.1 268.38,86.6 ; 249.63,81.31 249.69,81.38 249.69,83.41 250.12,83.84 250.12,85.08 249.3,85.9 249.3,86.58 ; 230.58,81.31 230.64,81.38 230.64,83.41 231.07,83.84 231.07,85.08 230.25,85.9 230.25,86.58 ; C405.2 192.57,81.41 192.57,83.44 192.99,83.86 192.99,85.11 C403.1 192.18,86.6 ; C399.2 211.62,81.41 211.62,83.44 212.04,83.86 212.04,85.11 C397.1 211.23,86.6 ; 325.85,81.29 325.92,81.36 325.92,83.39 326.34,83.81 326.34,85.06 325.53,85.87 325.53,86.55 ; 363.95,81.31 364.02,81.38 364.02,83.41 364.44,83.84 364.44,85.08 363.63,85.9 363.63,86.58 ; 318.05,86.3 318.39,86.64 320.98,86.64 321.3,86.32 322.21,86.32 322.53,86.64 ; v1(315.82,90.32) 315.82,88.67 316.69,87.81 321.94,87.81 322.53,87.22 322.53,86.64 ; v1(201.55,90.32) 201.55,88.6 202.29,87.86 207.72,87.86 208.36,87.22 208.36,86.74 ; v1(351,90.35) 351.05,90.3 351.05,87.96 ; v1(312.88,90.35) 312.93,90.3 312.93,87.96 ; v1(293.85,90.32) 293.9,90.27 293.9,87.93 ; v1(274.8,90.35) 274.85,90.3 274.85,87.96 ; v1(255.73,90.32) 255.78,90.27 255.78,87.93 ; v1(236.68,90.32) 236.73,90.27 236.73,87.93 ; v1(198.6,90.35) 198.65,90.3 198.65,87.96 ; v1(217.65,90.35) 217.7,90.3 217.7,87.96 ; v1(331.95,90.3) 332,90.25 332,87.91 ; v1(370.05,90.32) 370.1,90.27 370.1,87.93 ; 344.58,86.6 345.93,87.96 351.05,87.96 ; 344.58,86.6 344.54,86.56 341.58,86.56 ; 306.45,86.6 307.81,87.96 312.93,87.96 ; 306.45,86.6 303.44,86.6 303.35,86.51 ; 287.43,86.58 288.78,87.93 293.9,87.93 ; 287.43,86.58 284.4,86.58 284.3,86.67 ; 268.38,86.6 269.73,87.96 274.85,87.96 ; 268.38,86.6 268.27,86.72 265.56,86.72 ; 249.3,86.58 250.66,87.93 255.78,87.93 ; 249.3,86.58 246.31,86.58 246.3,86.59 ; 230.25,86.58 231.61,87.93 236.73,87.93 ; 230.25,86.58 227.25,86.58 227.15,86.67 ; 192.18,86.6 193.53,87.96 198.65,87.96 ; 211.23,86.6 212.58,87.96 217.7,87.96 ; 211.23,86.6 211.09,86.74 208.36,86.74 ; 325.53,86.55 326.88,87.91 332,87.91 ; 325.53,86.55 325.44,86.64 322.53,86.64 ; 363.63,86.58 364.98,87.93 370.1,87.93 ; 363.63,86.58 363.52,86.69 360.73,86.69 ; J21.16 275.6,67.64 278.13,67.64 278.5,67.27 279.36,67.27 279.64,67.55 279.64,67.85 ; J20.16 294.65,67.64 297.18,67.64 297.55,67.27 298.41,67.27 298.69,67.55 298.69,67.8 ; C88.2 206.82,62.32 C89.2 206.82,64.32 207.29,64.8 207.29,66.05 C86.1 206.46,67.88 207.48,68.9 213.51,68.9 214.06,68.35 ; C82.2 225.87,62.32 